# Altium PCB HV_DAC_8ch-DIOT.PCBDOC (part 9 of 11)
Units mm, origin at the board's own origin, x right, y up, seen from the top; angles counter-clockwise.
Board outline 222.63 x 100.1 mm, 8 copper layers (L1, L2, L3, P4, L5, L6, P7, L8), stack 1.563 mm thick; 971 components, 607 nets, 3066 pads, 1424 vias.
Unrouted connection lines stored in the file: 1.
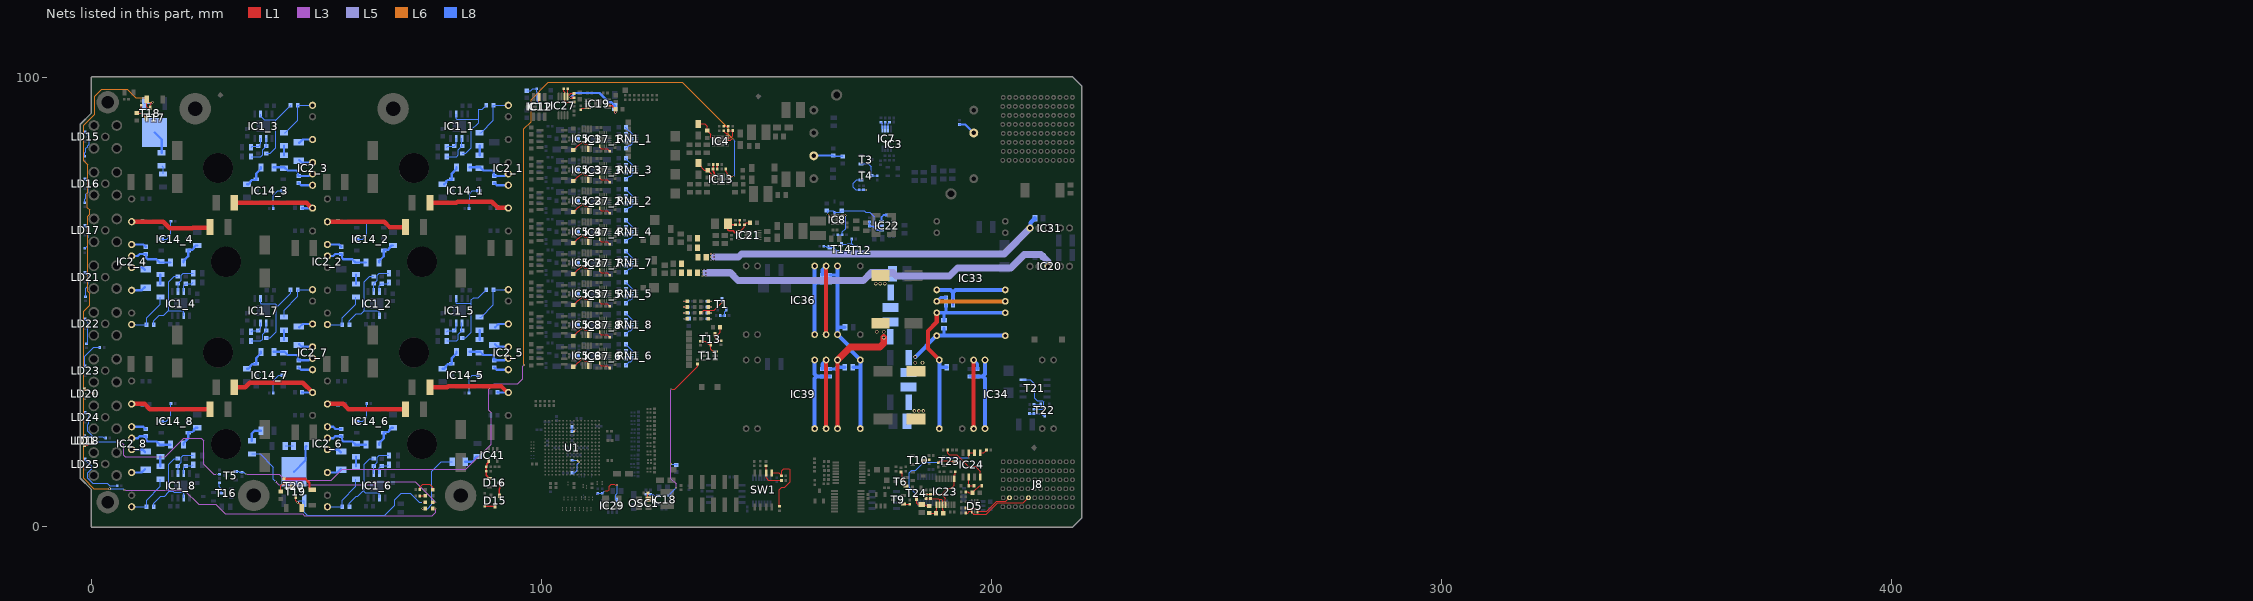
[diagram p15: the nets of this part, all layers, seen from the top]

## Via types
v1: diameter 0.4, hole 0.2, L1 to L8, tented both sides, 1016 vias
v2: diameter 0.8, hole 0.5, L1 to L8, tented both sides, 203 vias
v3: diameter 0.5, hole 0.2, L1 to L8, tented both sides, 117 vias
v4: diameter 0.7, hole 0.4, L1 to L8, tented both sides, 43 vias
v5: diameter 0.4, hole 0.2, L1 to L8, 32 vias
v6: diameter 0.5, hole 0.25, L1 to L8, 6 vias
v7: diameter 0.7, hole 0.4, L1 to L8, 5 vias
v8: diameter 1.2, hole 0.8, L1 to L8, tented both sides, 2 vias

## Nets (pads, with @x,y where several pads share a name; then routed paths per layer and width w, separated by ;. In a path a pad name is that pad's centre, name@x,y a point inside that pad or via, vN(x,y) a via of type N, cw(c..) or ccw(c..) an arc to the next point about the centre after c; other vN are vias at no path point) (continued)
NetC6_3_1: C6_3.1 IC2_3.4 | length 3.3
  L8 w0.512: C6_3.1@46.163,85.389 46.9,86.126 IC2_3.4@49.111,86.126
NetC6_3_2: C6_3.2 IC2_3.6 | length 3.2
  L8 w0.512: C6_3.2@46.163,81.603 46.72,81.046 IC2_3.6@49.111,81.046
NetC6_4_1: C6_4.1 IC2_4.4 | length 3.3
  L8 w0.512: IC2_4.4@8.889,52.62 11.1,52.62 C6_4.1@11.837,53.357
NetC6_4_2: C6_4.2 IC2_4.6 | length 3.2
  L8 w0.512: IC2_4.6@8.889,57.7 11.28,57.7 C6_4.2@11.837,57.143
NetC6_5_1: C6_5.1 IC2_5.4 | length 3.2
  L8 w0.512: C6_5.1@89.693,44.389 90.43,45.126 IC2_5.4@92.611,45.126
NetC6_5_2: C6_5.2 IC2_5.6 | length 3.2
  L8 w0.512: C6_5.2@89.663,40.603 90.22,40.046 IC2_5.6@92.611,40.046
NetC6_6_1: C6_6.1 IC2_6.4 | length 3.3
  L8 w0.512: IC2_6.4@52.389,12.12 54.6,12.12 C6_6.1@55.337,12.857
NetC6_6_2: C6_6.2 IC2_6.6 | length 3.2
  L8 w0.512: IC2_6.6@52.389,17.2 54.78,17.2 C6_6.2@55.337,16.643
NetC6_7_1: C6_7.1 IC2_7.4 | length 3.3
  L8 w0.512: C6_7.1@46.163,44.389 46.9,45.126 IC2_7.4@49.111,45.126
NetC6_7_2: C6_7.2 IC2_7.6 | length 3.2
  L8 w0.512: C6_7.2@46.163,40.603 46.72,40.046 IC2_7.6@49.111,40.046
NetC6_8_1: C6_8.1 IC2_8.4 | length 3.3
  L8 w0.512: IC2_8.4@8.889,12.12 11.1,12.12 C6_8.1@11.837,12.857
NetC6_8_2: C6_8.2 IC2_8.6 | length 3.2
  L8 w0.512: IC2_8.6@8.889,17.2 11.28,17.2 C6_8.2@11.837,16.643
NetC8_1_2: C8_1.2 IC2_1.10 R114_1.1 | length 20.5
  L1 w1: C8_1.2@75.209,72.065 81.085,72.065 81.341,72.321 88.965,72.321 90.311,70.975 92.522,70.975 IC2_1.10@92.611,70.886
  L8 w0.512: R114_1.1@90.253,70.919 90.286,70.886 IC2_1.10@92.611,70.886
NetC8_2_2: C8_2.2 IC2_2.10 R114_2.1 | length 20.3
  L1 w1: IC2_2.10@52.389,67.86 65.038,67.86 66.217,66.681 C8_2.2@69.791,66.681
  L8 w0.512: IC2_2.10@52.389,67.86 54.714,67.86 R114_2.1@54.747,67.827
NetC8_3_2: C8_3.2 IC2_3.10 R114_3.1 | length 20.3
  L1 w1: C8_3.2@31.709,72.065 47.77,72.065 48.949,70.886 IC2_3.10@49.111,70.886
  L8 w0.512: R114_3.1@46.753,70.919 46.786,70.886 IC2_3.10@49.111,70.886
NetC8_4_2: C8_4.2 IC2_4.10 R114_4.1 | length 20.5
  L1 w1: IC2_4.10@8.889,67.86 15.882,67.86 17.332,66.41 22.4,66.41 22.49,66.5 25.991,66.5 26.172,66.681 C8_4.2@26.291,66.681
  L8 w0.512: IC2_4.10@8.889,67.86 11.214,67.86 R114_4.1@11.247,67.827
NetC8_5_2: C8_5.2 IC2_5.10 R114_5.1 | length 20.4
  L1 w1: C8_5.2@75.209,31.065 79.047,31.065 79.227,31.245 91.09,31.245 92.449,29.886 IC2_5.10@92.611,29.886
  L8 w0.512: R114_5.1@90.253,29.919 90.286,29.886 IC2_5.10@92.611,29.886
NetC8_6_2: C8_6.2 IC2_6.10 R114_6.1 | length 20.3
  L1 w1: IC2_6.10@52.389,27.36 55.895,27.36 57.074,26.181 C8_6.2@69.791,26.181
  L8 w0.512: IC2_6.10@52.389,27.36 54.714,27.36 R114_6.1@54.747,27.327
NetC8_7_2: C8_7.2 IC2_7.10 R114_7.1 | length 21.1
  L1 w1: C8_7.2@31.709,31.065 34.128,31.065 35.11,32.047 46.949,32.047 IC2_7.10@49.111,29.886
  L8 w0.512: R114_7.1@46.753,29.919 46.786,29.886 IC2_7.10@49.111,29.886
NetC8_8_2: C8_8.2 IC2_8.10 R114_8.1 | length 20.3
  L1 w1: IC2_8.10@8.889,27.36 11.754,27.36 12.933,26.181 C8_8.2@26.291,26.181
  L8 w0.512: IC2_8.10@8.889,27.36 11.214,27.36 R114_8.1@11.247,27.327
NetC9_2: C9.2 IC20.3 L6.1 | length 84.2
  L5 w1.6: v1(136.5,56.5) 142,56.5 143.7,54.8 171.6,54.8 173.3,56.5 178.1,56.5 178.8,55.8 190.7,55.8 192.5,57.6 204.3,57.6 207.3,60.6 211,60.6 212.6,59 IC20.3@212.6,57.95
  L8 w1: C9.2@211.5,60.1 211.5,59.95 211.575,59.875 211.725,59.875 212.499,59.101 212.499,58.051 IC20.3@212.6,57.95
  other v1: 135.8,55.8 136.5,55.8 135.8,56.5 135.8,57.2 136.5,57.2
NetC10_2: C10.2 L6.2 L8.1
NetC15_2: C15.2 IC24.6 IC24.7 R227.2 T24.3 | length 27.4
  L1 w0.15: T24.3@183.4,6.35 183.4,5.3 183.663,5.037 184.463,5.037 184.537,4.963 185.337,4.963 185.563,4.737 186.163,4.737 R227.2@186.2,4.7
  L1 w0.2: T24.3@183.4,6.35 v1(183.4,7.2) ; v1(194.965,15.365) IC24.7@194.965,16.5 IC24.6@196.235,16.5
  L8 w0.2: v1(183.4,7.2) 181.8,8.8 181.8,12.1 182.3,12.6 183.2,12.6 185,14.4 188.6,14.4 189.565,15.365 v1(194.965,15.365)
NetC21_1: C21.1 C50.1 U1.N8 | length 2.5
  L1 w0.127: U1.N8@107.2,21.221 107.221,21.221 107.552,21.552 v1@107.552,21.573
  L8 w0.127: C50.1@106.8,22.28 C21.1@106.8,21.25 107.046,21.496 107.423,21.496 107.526,21.6 v1(107.6,21.6)
NetC31_1: C31.1 C37.1 U1.E7 | length 5.6
  L1 w0.127: U1.E7@108.021,14.8 108.021,14.771 108.344,14.448 v1@108.373,14.448
  L8 w0.127: C37.1@106.8,12.04 107.351,12.04 107.91,12.6 107.91,13.981 v1(108.356,14.427) 107.974,14.81 106.84,14.81 C31.1@106.8,14.85
NetC35_1_2: C35_1.2 RN1_1.1 | length 2.3
  L8 w0.127: C35_1.2@118.76,84.177 118.76,84.202 119.457,84.899 119.816,84.899 120.141,85.224 RN1_1.1@120.141,85.55 ; RN1_1.1@119.879,85.474 RN1_1.1@119.98,85.574
NetC35_2_2: C35_2.2 RN1_2.1 | length 2.3
  L8 w0.127: C35_2.2@118.76,70.404 118.76,70.429 119.457,71.126 119.816,71.126 120.141,71.451 RN1_2.1@120.141,71.777 ; RN1_2.1@119.879,71.701 RN1_2.1@119.98,71.801
NetC35_3_2: C35_3.2 RN1_3.1 | length 2.3
  L8 w0.127: C35_3.2@118.76,77.291 118.76,77.316 119.457,78.013 119.816,78.013 120.141,78.337 RN1_3.1@120.141,78.664 ; RN1_3.1@119.879,78.588 RN1_3.1@119.98,78.688
NetC35_4_2: C35_4.2 RN1_4.1 | length 2.3
  L8 w0.127: C35_4.2@118.76,63.518 118.76,63.543 119.457,64.239 119.816,64.239 120.141,64.564 RN1_4.1@120.141,64.89 ; RN1_4.1@119.879,64.814 RN1_4.1@119.98,64.915
NetC35_5_2: C35_5.2 RN1_5.1 | length 2.3
  L8 w0.127: C35_5.2@118.76,49.745 118.76,49.77 119.457,50.466 119.816,50.466 120.141,50.791 RN1_5.1@120.141,51.117 ; RN1_5.1@119.879,51.041 RN1_5.1@119.98,51.142
NetC35_6_2: C35_6.2 RN1_6.1 | length 2.3
  L8 w0.127: C35_6.2@118.76,35.971 118.76,35.996 119.457,36.693 119.816,36.693 120.141,37.018 RN1_6.1@120.141,37.344 ; RN1_6.1@119.879,37.268 RN1_6.1@119.98,37.368
NetC35_7_2: C35_7.2 RN1_7.1 | length 2.3
  L8 w0.127: C35_7.2@118.76,56.631 118.76,56.656 119.457,57.353 119.816,57.353 120.141,57.678 RN1_7.1@120.141,58.004 ; RN1_7.1@119.879,57.928 RN1_7.1@119.98,58.028
NetC35_8_2: C35_8.2 RN1_8.1 | length 2.3
  L8 w0.127: C35_8.2@118.76,42.858 118.76,42.883 119.457,43.58 119.816,43.58 120.141,43.904 RN1_8.1@120.141,44.231 ; RN1_8.1@119.879,44.155 RN1_8.1@119.98,44.255
NetC45_2: C45.2 IC4.8 R32.1 | length 5.8
  L1 w0.25: C45.2@134.8,89.6 136.3,89.6 136.8,89.1 R32.1@136.8,88.1 136.85,88.1 137.6,87.35 137.6,86.621 137.746,86.475 IC4.8@138.3,86.475
NetC66_1_2: C66_1.2 RN1_1.2 | length 1.5
  L8 w0.127: C66_1.2@118.76,85.727 119.083,86.05 RN1_1.2@120.113,86.05
NetC66_2_2: C66_2.2 RN1_2.2 | length 1.5
  L8 w0.127: C66_2.2@118.76,71.954 119.083,72.277 RN1_2.2@120.113,72.277
NetC66_3_2: C66_3.2 RN1_3.2 | length 1.5
  L8 w0.127: C66_3.2@118.76,78.84 119.083,79.164 RN1_3.2@120.113,79.164
NetC66_4_2: C66_4.2 RN1_4.2 | length 1.5
  L8 w0.127: C66_4.2@118.76,65.067 119.083,65.39 RN1_4.2@120.113,65.39
NetC66_5_2: C66_5.2 RN1_5.2 | length 1.5
  L8 w0.127: C66_5.2@118.76,51.294 119.083,51.617 RN1_5.2@120.113,51.617
NetC66_6_2: C66_6.2 RN1_6.2 | length 1.5
  L8 w0.127: C66_6.2@118.76,37.521 119.083,37.844 RN1_6.2@120.113,37.844
NetC66_7_2: C66_7.2 RN1_7.2 | length 1.5
  L8 w0.127: C66_7.2@118.76,58.181 119.083,58.504 RN1_7.2@120.113,58.504
NetC66_8_2: C66_8.2 RN1_8.2 | length 1.5
  L8 w0.127: C66_8.2@118.76,44.407 119.083,44.731 RN1_8.2@120.113,44.731
NetC68_1_2: C68_1.2 RN1_1.3 | length 1.5
  L8 w0.127: C68_1.2@118.76,87.276 118.76,87.251 119.461,86.55 RN1_1.3@119.965,86.55
NetC68_2_2: C68_2.2 RN1_2.3 | length 1.5
  L8 w0.127: C68_2.2@118.76,73.503 118.76,73.478 119.461,72.777 RN1_2.3@119.965,72.777
NetC68_3_2: C68_3.2 RN1_3.3 | length 1.5
  L8 w0.127: C68_3.2@118.76,80.39 118.76,80.365 119.461,79.664 RN1_3.3@119.965,79.664
NetC68_4_2: C68_4.2 RN1_4.3 | length 1.5
  L8 w0.127: C68_4.2@118.76,66.616 118.76,66.591 119.461,65.89 RN1_4.3@119.965,65.89
NetC68_5_2: C68_5.2 RN1_5.3 | length 1.5
  L8 w0.127: C68_5.2@118.76,52.843 118.76,52.818 119.461,52.117 RN1_5.3@119.965,52.117
NetC68_6_2: C68_6.2 RN1_6.3 | length 1.5
  L8 w0.127: C68_6.2@118.76,39.07 118.76,39.045 119.461,38.344 RN1_6.3@119.965,38.344
NetC68_7_2: C68_7.2 RN1_7.3 | length 1.5
  L8 w0.127: C68_7.2@118.76,59.73 118.76,59.705 119.461,59.004 RN1_7.3@119.965,59.004
NetC68_8_2: C68_8.2 RN1_8.3 | length 1.5
  L8 w0.127: C68_8.2@118.76,45.957 118.76,45.932 119.461,45.231 RN1_8.3@119.965,45.231
NetC69_2: C69.2 D4.2 IC8.7 IC22.5 R56.1 | length 17.4
  L1 w0.15: v1(163.581,69.514) 164.188,68.907 164.663,68.907 IC8.7@164.738,68.832
  L8 w0.15: v1(163.581,69.514) 163.581,70.261 163.487,70.261 R56.1@163.411,70.338 163.442,70.306 164.873,70.306 164.961,70.219 164.961,69.938 D4.2@165.136,69.763 165.305,69.931 166.38,69.931 C69.2@166.761,70.313 ; C69.2@166.761,70.261 171.749,70.261 172.098,69.913 173.017,69.913 173.946,68.984 173.946,67.469 174.449,66.966 IC22.5@175.556,66.966
NetC87_2: C87.2 IC31.5 L9.1 | length 75.6
  L5 w1.6: v1(138.4,60) 143.8,60 144.5,60.7 183,60.7 202.85,60.7 IC31.5@208.6,66.45
  L8 w1: IC31.5@208.6,66.45 208.701,66.551 208.701,67.601 209.475,68.375 209.625,68.375 209.7,68.45 C87.2@209.7,68.6
  other v1: 137.7,59.3 138.4,59.3 137.7,60 137.7,60.7 138.4,60.7
NetC89_1_2: C89_1.2 RN1_1.4 | length 2.3
  L8 w0.127: C89_1.2@118.76,88.826 118.76,88.801 120.157,87.403 RN1_1.4@120.157,87.073
NetC89_2_2: C89_2.2 RN1_2.4 | length 2.3
  L8 w0.127: C89_2.2@118.76,75.052 118.76,75.027 120.157,73.63 RN1_2.4@120.157,73.3
NetC89_3_2: C89_3.2 RN1_3.4 | length 2.3
  L8 w0.127: C89_3.2@118.76,81.939 118.76,81.914 120.157,80.517 RN1_3.4@120.157,80.186
NetC89_4_2: C89_4.2 RN1_4.4 | length 2.3
  L8 w0.127: C89_4.2@118.76,68.166 118.76,68.141 120.157,66.744 RN1_4.4@120.157,66.413
NetC89_5_2: C89_5.2 RN1_5.4 | length 2.3
  L8 w0.127: C89_5.2@118.76,54.393 118.76,54.368 120.157,52.971 RN1_5.4@120.157,52.64
NetC89_6_2: C89_6.2 RN1_6.4 | length 2.3
  L8 w0.127: C89_6.2@118.76,40.62 118.76,40.595 120.157,39.197 RN1_6.4@120.157,38.867
NetC89_7_2: C89_7.2 RN1_7.4 | length 2.3
  L8 w0.127: C89_7.2@118.76,61.279 118.76,61.254 120.157,59.857 RN1_7.4@120.157,59.527
NetC89_8_2: C89_8.2 RN1_8.4 | length 2.3
  L8 w0.127: C89_8.2@118.76,47.506 118.76,47.481 120.157,46.084 RN1_8.4@120.157,45.754
NetC91_1: C91.1 IC21.7 R117.2 | length 5.8
  L1 w0.3: R117.2@143.13,67.2 141.65,67.2 C91.1@141.45,67.4 141.424,67.374 141.424,65.976 141.6,65.8 142.6,65.8 143,65.4 IC21.7@143.8,65.4
NetC94_2: C94.2 IC11.6 IC12.6 R179.1 | length 6.9
  L1 w0.254: v1(99.4,94.4) 99.424,94.424 99.424,95.578 IC12.6@99.449,95.603
  L8 w0.254: C94.2@96.7,97 97.6,97 98,97.4 R179.1@98.93,97.4 98.93,96.77 99.075,96.625 99.075,94.616 99.263,94.428 99.372,94.428 v1(99.4,94.4)
NetC100_2: C100.2 IC24.5 | length 1.7
  L1 w0.2: IC24.5@197.505,16.5 198.35,16.5 C100.2@198.95,17.1
NetC102_1: C102.1 IC22.6 | length 2.3
  L8 w0.381: IC22.6@175.556,67.916 175.556,68.868 176.022,69.334 176.623,69.334 C102.1@176.656,69.366
NetC103_2: C103.2 D17.1 R229.2 | length 4.3
  L1 w0.2: R229.2@194.27,7.8 194.8,7.8 195,7.6 C103.2@195.8,7.6 195.8,7.625 196.175,8 196.2,8 197.367,9.167 197.817,9.167 D17.1@197.85,9.2
NetC106_1_2: C106_1.2 IC5_1.3 R11_1.2 | length 5.9
  L1 w0.127: v3@109.066,85.576 v3@109.117,85.576
  L1 w0.254: R11_1.2@107.102,83.822 107.152,83.822 108.14,84.81 108.324,84.81 109.066,85.553 v3@109.066,85.576 ; v3(109.041,85.585) 109.108,85.585 109.117,85.576 109.514,85.179 109.969,85.179 110.286,84.861 110.286,84.645 IC5_1.3@110.387,84.544
  L8 w0.254: C106_1.2@108.08,86.311 108.428,85.963 108.467,85.963 108.798,85.632 108.994,85.632 v3(109.041,85.585)
NetC106_2_2: C106_2.2 IC5_2.3 R11_2.2 | length 5.9
  L1 w0.127: v3@109.066,71.803 v3@109.117,71.803
  L1 w0.254: R11_2.2@107.102,70.049 107.152,70.049 108.14,71.037 108.324,71.037 109.066,71.779 v3@109.066,71.803 ; v3(109.041,71.812) 109.108,71.812 109.117,71.803 109.514,71.405 109.969,71.405 110.286,71.088 110.286,70.871 IC5_2.3@110.387,70.77
  L8 w0.254: C106_2.2@108.08,72.538 108.428,72.19 108.467,72.19 108.798,71.859 108.994,71.859 v3(109.041,71.812)
NetC106_3_2: C106_3.2 IC5_3.3 R11_3.2 | length 5.9
  L1 w0.127: v3@109.066,78.689 v3@109.117,78.689
  L1 w0.254: R11_3.2@107.102,76.935 107.152,76.935 108.14,77.924 108.324,77.924 109.066,78.666 v3@109.066,78.689 ; v3(109.041,78.698) 109.108,78.698 109.117,78.689 109.514,78.292 109.969,78.292 110.286,77.975 110.286,77.758 IC5_3.3@110.387,77.657
  L8 w0.254: C106_3.2@108.08,79.424 108.428,79.076 108.467,79.076 108.798,78.745 108.994,78.745 v3(109.041,78.698)
NetC106_4_2: C106_4.2 IC5_4.3 R11_4.2 | length 5.9
  L1 w0.127: v3@109.066,64.916 v3@109.117,64.916
  L1 w0.254: R11_4.2@107.102,63.162 107.152,63.162 108.14,64.151 108.324,64.151 109.066,64.893 v3@109.066,64.916 ; v3(109.041,64.925) 109.108,64.925 109.117,64.916 109.514,64.519 109.969,64.519 110.286,64.201 110.286,63.985 IC5_4.3@110.387,63.884
  L8 w0.254: C106_4.2@108.08,65.651 108.428,65.303 108.467,65.303 108.798,64.972 108.994,64.972 v3(109.041,64.925)
NetC106_5_2: C106_5.2 IC5_5.3 R11_5.2 | length 5.9
  L1 w0.127: v3@109.066,51.143 v3@109.117,51.143
  L1 w0.254: R11_5.2@107.102,49.389 107.152,49.389 108.14,50.377 108.324,50.377 109.066,51.12 v3@109.066,51.143 ; v3(109.041,51.152) 109.108,51.152 109.117,51.143 109.514,50.746 109.969,50.746 110.286,50.428 110.286,50.212 IC5_5.3@110.387,50.111
  L8 w0.254: C106_5.2@108.08,51.878 108.428,51.53 108.467,51.53 108.798,51.199 108.994,51.199 v3(109.041,51.152)
NetC106_6_2: C106_6.2 IC5_6.3 R11_6.2 | length 5.9
  L1 w0.127: v3@109.066,37.37 v3@109.117,37.37
  L1 w0.254: R11_6.2@107.102,35.616 107.152,35.616 108.14,36.604 108.324,36.604 109.066,37.346 v3@109.066,37.37 ; v3(109.041,37.379) 109.108,37.379 109.117,37.37 109.514,36.973 109.969,36.973 110.286,36.655 110.286,36.438 IC5_6.3@110.387,36.337
  L8 w0.254: C106_6.2@108.08,38.105 108.428,37.757 108.467,37.757 108.798,37.426 108.994,37.426 v3(109.041,37.379)
NetC106_7_2: C106_7.2 IC5_7.3 R11_7.2 | length 5.9
  L1 w0.127: v3@109.066,58.03 v3@109.117,58.03
  L1 w0.254: R11_7.2@107.102,56.276 107.152,56.276 108.14,57.264 108.324,57.264 109.066,58.006 v3@109.066,58.03 ; v3(109.041,58.039) 109.108,58.039 109.117,58.03 109.514,57.632 109.969,57.632 110.286,57.315 110.286,57.098 IC5_7.3@110.387,56.997
  L8 w0.254: C106_7.2@108.08,58.765 108.428,58.417 108.467,58.417 108.798,58.086 108.994,58.086 v3(109.041,58.039)
NetC106_8_2: C106_8.2 IC5_8.3 R11_8.2 | length 5.9
  L1 w0.127: v3@109.066,44.256 v3@109.117,44.256
  L1 w0.254: R11_8.2@107.102,42.503 107.152,42.503 108.14,43.491 108.324,43.491 109.066,44.233 v3@109.066,44.256 ; v3(109.041,44.265) 109.108,44.265 109.117,44.256 109.514,43.859 109.969,43.859 110.286,43.542 110.286,43.325 IC5_8.3@110.387,43.224
  L8 w0.254: C106_8.2@108.08,44.992 108.428,44.644 108.467,44.644 108.798,44.312 108.994,44.312 v3(109.041,44.265)
NetC111_2: C111.2 R145.2 T13.1 | length 4.9
  L1 w0.127: C111.2@139.7,44.4 139.7,43.3 139.3,42.9 T13.1@138.575,42.9 138.575,42.025 139.18,41.42 R145.2@139.925,41.42
NetC113_2: C113.2 R162.2 T14.1 | length 5.6
  L8 w0.15: R162.2@162.77,62.4 163.2,62.4 163.4,62.2 C113.2@164.1,62.2 164.8,62.2 165.5,61.5 166.4,61.5 167.213,60.687 167.513,60.687 T14.1@167.65,60.55
NetC114_2: C114.2 IC18.1 R181.2 | length 35
  L1 w0.1: v1(128.8,30.6) 129.6,30.6 134.7,35.7 R181.2@134.7,36.23
  L3 w0.1: v1(128.8,30.6) 128.75,30.55 128.75,10.75 129.9,9.6 v1(129.9,8.7)
  L8 w0.127: IC18.1@128.55,6.95 128.6,7 128.6,7.4 v1(129.9,8.7) ; v1(128.75,14) 130.225,14 130.025,13.8 C114.2@130,13.8
NetC118_1: C118.1 IC13.7 R25.2 | length 5.3
  L1 w0.254: C118.1@134.9,80.9 134.9,80.625 136.168,79.357 136.843,79.357 R25.2@136.9,79.3 136.95,79.3 137.273,78.977 137.273,78.927 137.7,78.5 137.7,78 137.877,77.823 138.377,77.823 IC13.7@138.4,77.8
NetC119_2: C119.2 L9.2 L14.1
NetC125_1: C125.1 C132.2 C136.2 IC33.12 IC33.13 L17.1 | length 23.2
  L8 w0.7: 189.49,43.01 C136.2@189.49,44.21
  L8 w0.9: v2(183.1,37.8) IC33.12@187.84,42.54 ; IC33.12@187.86,42.54 IC33.12@187.84,42.54 ; IC33.13@203.08,42.54 189.46,42.54 IC33.12@187.84,42.54
  other v2: 183.1,36.5 184.7,36.5
NetC126_1: C126.1 IC27.1 R158.1 | length 3.3
  L1 w0.254: IC27.1@105.775,95.675 105.8,95.7 IC27.1@105.8,96.067 ; C126.1@105.85,97.4 105.8,97.35 IC27.1@105.8,96.067 ; R158.1@107.2,96.37 106.47,96.37 106.232,96.132 105.866,96.132 IC27.1@105.8,96.067
NetC126_2: C126.2 IC27.2 R156.2 | length 4.9
  L1 w0.254: C126.2@104.95,97.4 104.95,96.85 105.113,96.687 105.113,95.687 IC27.2@105.125,95.675 105.125,94.775 105.43,94.47 R156.2@107.2,94.47
NetC127_1: C127.1 C133.2 L17.2 L19.1
  other v2: 182.9,25.8 183.9,25.8 184.9,25.8
NetC136_1: C136.1 C144.2 IC33.10 IC33.15 IC34.12 IC34.13 R134.1 | length 47.9
  L1 w0.9: IC33.10@187.86,47.62 187.86,45.56 185.9,43.6 185.9,39.65 IC34.12@188.43,37.12
  L8 w0.7: IC33.10@187.86,47.62 189.48,47.62 ; 188.43,35.5 C144.2@190.1,35.5 ; C136.1@189.48,45.95 189.48,47.62 ; R134.1@189.88,49.31 189.88,47.64 189.9,47.62 ; IC33.15@203.1,47.62 189.9,47.62 ; 189.48,47.62 189.9,47.62
  L8 w0.9: IC34.13@188.43,21.88 188.43,35.5 IC34.12@188.43,37.12
NetC141_1: C141.1 IC19.7 R157.2 R158.2 | length 16.3
  L1 w0.3: IC19.7@114.7,93.6 115.7,93.6 116.05,93.25 116.1,93.25 116.4,92.95 R157.2@116.4,92.9
  L1 w0.5: v1(106.5,95.5) 106.555,95.445 107.185,95.445 R158.2@107.2,95.43 ; v1(116.4,92.2) R157.2@116.4,92.9
  L8 w0.5: v1(106.5,95.5) 107.5,96.5 112.9,96.5 114.9,94.5 115.468,94.5 115.918,94.05 115.925,94.05 116.3,93.675 C141.1@116.3,93.4 116.4,93.3 v1(116.4,92.2)
NetC153_1: C153.1 C158.2 IC36.10 IC36.15 IC39.12 IC39.13 R144.1 | length 43.3
  L8 w0.7: R144.1@164.11,56 165.8,56 ; 165.8,44.4 C153.1@167.47,44.4 ; C158.2@169.21,35.5 170.88,35.5
  L8 w0.9: IC36.15@165.8,58.02 165.8,56 165.8,44.4 IC36.10@165.8,42.78 168.67,39.91 168.67,39.33 IC39.13@170.88,37.12 170.88,35.5 IC39.12@170.88,21.88
NetC158_1: C158.1 C160.2 C163.2 IC39.10 IC39.15 L21.1 R168.1 | length 33.5
  L1 w0.9: IC39.10@165.8,21.88 IC39.15@165.8,37.12
  L1 w1.5: IC39.15@165.8,37.12 168.68,40 175.221,40 176.1,40.879 v2(176.1,42.1)
  L8 w0.7: R168.1@164.11,35.1 165.21,35.1 165.8,35.69 165.8,35.97 ; IC39.15@165.8,37.12 165.8,35.97 ; C158.1@167.47,35.5 166.27,35.5 165.8,35.97
  other v2: 174.5,43.4 176.1,43.4
NetC161_2: C161.2 C164.2 L21.2 L22.1
  other v2: 174.3,54.1 175.3,54.1 176.3,54.1
NetD3_2: D3.2 D17.2 IC24.2 | length 3.1
  L1 w0.2: IC24.2@194.965,11.1 194.95,11.085 D3.2@194.95,9.2 D17.2@196.15,9.2
NetD5_4: D5.4 J8.H2 R185.2 | length 16.1
  L1 w0.1: R185.2@194.27,3.1 194.7,3.1 195.1,3.5 D5.4@195.65,3.5 195.65,3.225 195.923,2.952 196.027,2.848 198.848,2.848 201.4,5.4 207.139,5.4 J8.H2@208.239,6.5
NetD5_6: D5.6 J8.K2 R205.2 | length 11.6
  L1 w0.1: R205.2@194.27,4.2 196.6,4.2 196.8,4.2 196.934,4.066 196.934,3.516 D5.6@196.95,3.5 199,3.5 201.2,5.7 203.239,5.7 J8.K2@204.039,6.5
NetD11_1: D11.1 LD3.1 T17.1 T18.3 | length 191.5
  L1 w0.127: D11.1@12.25,95 12.25,93.45 12.55,93.15 T18.3@13,93.15 13,93.912 v3(13.5,94.412)
  L1 w0.2: LD3.1@75.825,4.1 v1(76.5,4.1)
  L3 w0.127: v3(7.297,8.2) 20.585,8.2 23.785,5 27.6,5 29.7,2.9 46.9,2.9 47.3,2.5 75.7,2.5 76.5,3.3 v1(76.5,4.1)
  L6 w0.127: v3(4,8.5) 0.497,8.5 -1.797,10.793 -1.797,47.942 -0.475,49.263 -0.475,51.977 -0.931,52.432 -0.931,53.467 -0.916,53.482 -0.916,57.079 -0.931,57.094 -0.931,63.816 -0.891,63.856 -0.891,69.051 -0.475,69.467 -0.475,70.484 -0.937,70.945 -0.937,74.266 -0.916,74.287 -0.916,80.484 -1.8,81.369 -1.8,89.3 0.7,91.8 0.7,95.8 2.2,97.3 7.9,97.3 9.8,95.4 11.698,95.4 12.686,94.412 v3(13.5,94.412)
  L8 w0.127: v3(4,8.5) 6.974,8.5 7.274,8.2 v3(7.297,8.2) ; T17.1@11.72,94.15 13.139,94.15 13.401,94.412 v3(13.5,94.412)
NetD12_2: D12.2 R130.1 | length 8
  L1 w0.508: R130.1@42.72,10.7 47.463,10.7 48.396,9.766 48.396,8.528 48.642,8.282 D12.2@49.017,8.282
NetD13_2: D13.2 LD9.2 T19.3 T20.1 | length 38.1
  L1 w0.127: T19.3@45.362,6.69 45.362,5.885 45.864,5.383 45.992,5.383 46.75,4.625 D13.2@46.75,4.25
  L1 w0.2: v1(73.5,5.5) LD9.2@74.175,5.5
  L8 w0.127: v3(45.793,5.454) 46.189,5.85 T20.1@47.28,5.85 47.28,3.22 47.9,2.6 65.2,2.6 67.4,4.8 67.4,6.1 68.8,7.5 70.8,7.5 72.8,5.5 v1(73.5,5.5)
NetD15_1: D15.1 D16.3 | length 2.9
  L1 w0.3: D15.1@90.65,6.95 90.65,8.45 90.75,8.55 D16.3@90.75,9.8
NetD15_3: D15.3 R275.2 | length 2.3
  L1 w0.3: R275.2@87.4,4.63 89.68,4.63 D15.3@89.7,4.65
NetD16_1: D16.1 IC41.4 R276.1 R277.1 | length 4.6
  L1 w0.3: IC41.4@88.247,14.705 88.147,14.605 88.147,14.248 87.833,13.933 87.833,13.503 R276.1@87.73,13.4 R277.1@87.73,12.4 87.73,11.47 88.075,11.125 88.075,10.925 88.25,10.75 D16.1@88.45,10.75
NetIC1_1_2: IC1_1.2 R34_1.1 R58_1.2 | length 6.8
  L8 w0.127: R58_1.2@78.924,82.352 81.124,82.352 81.539,82.767 81.539,83.882 82.303,84.646 R34_1.1@82.353,84.646 82.3,84.699 IC1_1.2@82.3,86.386
NetIC1_1_3: IC1_1.3 R73_1.2 R113_1.2 | length 3.7
  L8 w0.127: R73_1.2@78.924,84.396 79.204,84.676 80.625,84.676 80.973,85.024 80.973,85.249 81.03,85.306 IC1_1.3@81.03,86.386
NetIC1_1_6: IC1_1.6 R34_1.2 R62_1.1 | length 20
  L8 w0.127: IC1_1.6@81.03,91.786 81.03,90.71 81.104,90.636 86.017,90.636 ; R34_1.2@82.353,83.046 83.158,83.046 84.385,84.273 84.385,88.261 86.017,89.893 86.017,90.636 ; R62_1.1@87.7,93.746 87.7,93.671 87.338,93.309 87.263,93.309 86.846,92.892 86.092,92.892 86.017,92.818 86.017,90.636
NetIC1_2_2: IC1_2.2 R34_2.1 R58_2.2 | length 6.8
  L8 w0.127: IC1_2.2@62.7,52.36 62.7,54.047 R34_2.1@62.647,54.1 62.697,54.1 63.461,54.863 63.461,55.979 63.876,56.394 R58_2.2@66.076,56.394
NetIC1_2_3: IC1_2.3 R73_2.2 R113_2.2 | length 3.7
  L8 w0.127: IC1_2.3@63.97,52.36 63.97,53.665 64.375,54.07 65.796,54.07 R73_2.2@66.076,54.35
NetIC1_2_6: IC1_2.6 R34_2.2 R62_2.1 | length 18.4
  L8 w0.127: R62_2.1@57.3,45 57.3,45.805 58.848,47.353 59.884,47.353 60.623,48.092 60.623,48.11 ; R34_2.2@62.647,55.7 61.842,55.7 60.623,54.481 60.623,48.11 ; IC1_2.6@63.97,46.96 63.97,48.035 63.896,48.11 60.623,48.11
NetIC1_3_2: IC1_3.2 R34_3.1 R58_3.2 | length 6.8
  L8 w0.127: R58_3.2@35.424,82.352 37.624,82.352 38.039,82.767 38.039,83.882 38.803,84.646 R34_3.1@38.853,84.646 38.8,84.699 IC1_3.2@38.8,86.386
NetIC1_3_3: IC1_3.3 R73_3.2 R113_3.2 | length 3.7
  L8 w0.127: R73_3.2@35.424,84.396 35.704,84.676 37.125,84.676 37.473,85.024 37.473,85.249 37.53,85.306 IC1_3.3@37.53,86.386
NetIC1_3_6: IC1_3.6 R34_3.2 R62_3.1 | length 17.6
  L8 w0.127: IC1_3.6@37.53,91.786 37.53,91.311 38.315,90.526 40.841,90.526 40.915,90.451 40.915,89.606 40.885,89.576 40.885,84.273 39.658,83.046 R34_3.2@38.853,83.046 ; 40.91,90.456 43.763,93.309 43.838,93.309 44.2,93.671 R62_3.1@44.2,93.746
NetIC1_4_2: IC1_4.2 R34_4.1 R58_4.2 | length 6.8
  L8 w0.127: IC1_4.2@19.2,52.36 19.2,54.047 R34_4.1@19.147,54.1 19.197,54.1 19.961,54.863 19.961,55.979 20.376,56.394 R58_4.2@22.576,56.394
NetIC1_4_3: IC1_4.3 R73_4.2 R113_4.2 | length 3.7